# Altium PCB MAIN_BOARD.PcbDoc (part 4 of 4)
Units mm, origin at the board's own origin, x right, y up, seen from the top; angles counter-clockwise.
Board outline 130 x 120 mm, 4 copper layers (TOP, GND/INT_SIG_1, GND/INT_SIG_2, BOTTOM), stack 1.586 mm thick; 406 components, 346 nets, 1737 pads, 314 vias.
Unrouted connection lines stored in the file: 727.
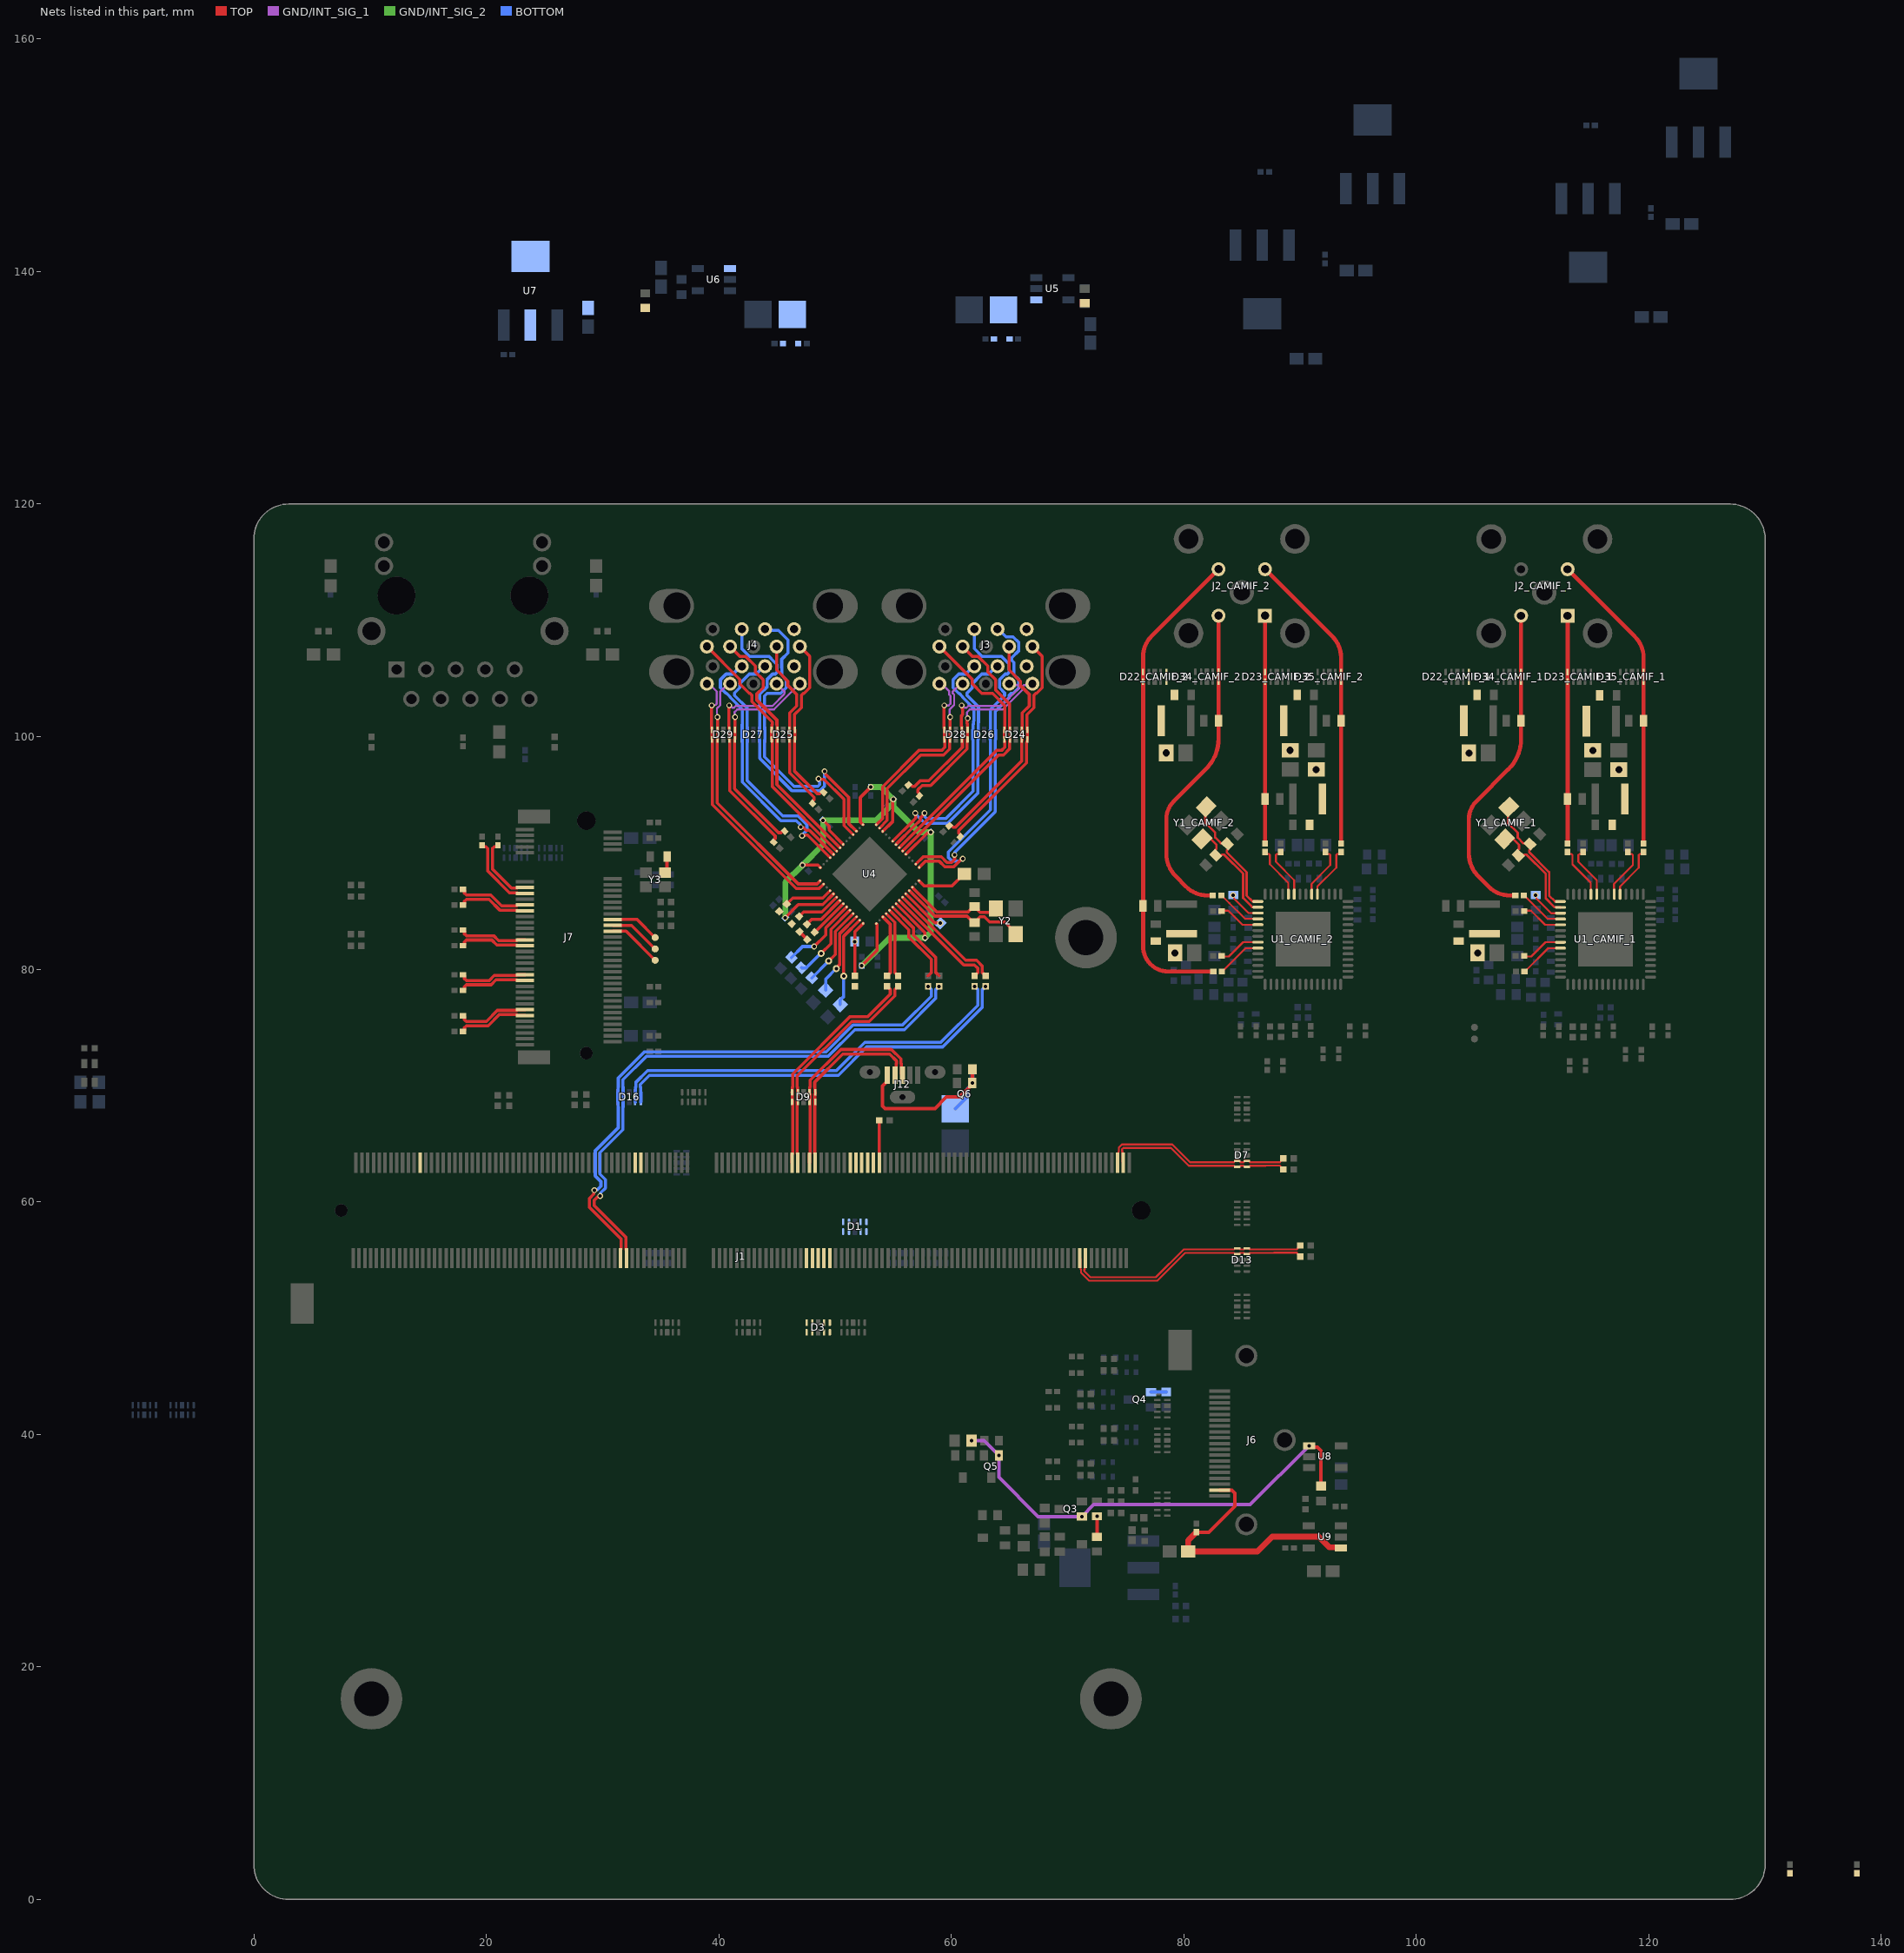
[diagram p6: the nets of this part, all layers, seen from the top]

## Via types
v1: diameter 0.5, hole 0.3, TOP to BOTTOM, 266 vias
v2: diameter 0.5, hole 0.2, TOP to BOTTOM, 32 vias
v3: diameter 5, hole 3, TOP to BOTTOM, 8 vias
v4: diameter 1, hole 0.6, TOP to BOTTOM, 8 vias

## Nets (pads, with @x,y where several pads share a name; then routed paths per layer and width w, separated by ;. In a path a pad name is that pad's centre, name@x,y a point inside that pad or via, vN(x,y) a via of type N, cw(c..) or ccw(c..) an arc to the next point about the centre after c; other vN are vias at no path point) (continued)
PoC_A_CAMIF_2: C7_CAMIF_2.2 D22_CAMIF_2.1 D22_CAMIF_2.10 J2_CAMIF_2.3 L3_CAMIF_2.2 | length 42.4
  TOP w0.355: 78.544,79.8 C7_CAMIF_2.2@82.537,79.8 ; 78.665,79.8 cw(c78.665,81.97) 78.66,79.8 cw(c78.665,81.97) 76.494,81.97 L3_CAMIF_2.2@76.495,85.45 D22_CAMIF_2.1@76.495,104.733 D22_CAMIF_2.10@76.495,105.568 76.495,106.859 cw(c79.035,106.859) 77.239,108.655 J2_CAMIF_2.3@82.983,114.4
PoC_B_CAMIF_1: C8_CAMIF_1.2 D22_CAMIF_1.5 D22_CAMIF_1.6 D34_CAMIF_1.5 D34_CAMIF_1.6 J2_CAMIF_1.4 L5_CAMIF_1.2 | length 28
  TOP w0.355: 105.151,94.425 ccw(c106.678,92.898) 104.519,92.898 104.519,89.95 ccw(c107.315,89.95) 105.338,87.973 106.225,87.086 ccw(c108.021,88.882) 108.021,86.342 C8_CAMIF_1.2@108.511,86.342 ; 105.152,94.425 107.928,97.201 ccw(c105.321,99.808) 109.008,99.808 L5_CAMIF_1.2@109.008,101.367 D34_CAMIF_1.5@109.008,104.732 D34_CAMIF_1.6@109.008,105.567 J2_CAMIF_1.4@109.008,110.392
PoC_B_CAMIF_2: C8_CAMIF_2.2 D22_CAMIF_2.5 D22_CAMIF_2.6 D34_CAMIF_2.5 D34_CAMIF_2.6 J2_CAMIF_2.4 L5_CAMIF_2.2 | length 28
  TOP w0.355: 79.127,94.432 ccw(c80.654,92.906) 78.495,92.906 78.495,89.958 ccw(c81.291,89.958) 79.314,87.981 80.201,87.094 ccw(c81.997,88.89) 81.997,86.35 C8_CAMIF_2.2@82.487,86.35 ; 79.128,94.433 81.904,97.209 ccw(c79.297,99.816) 82.983,99.816 L5_CAMIF_2.2@82.983,101.375 D34_CAMIF_2.5@82.983,104.74 D34_CAMIF_2.6@82.983,105.575 J2_CAMIF_2.4@82.983,110.4
PoC_C_CAMIF_1: C15_CAMIF_1.2 D23_CAMIF_1.1 D23_CAMIF_1.10 J2_CAMIF_1.1 L7_CAMIF_1.2 | length 19.6
  TOP w0.355: C15_CAMIF_1.2@113.008,90.806 L7_CAMIF_1.2@113.008,94.642 D23_CAMIF_1.1@113.008,104.725 D23_CAMIF_1.10@113.008,105.56 J2_CAMIF_1.1@113.008,110.392
PoC_C_CAMIF_2: C15_CAMIF_2.2 D23_CAMIF_2.1 D23_CAMIF_2.10 J2_CAMIF_2.1 L7_CAMIF_2.2 | length 19.6
  TOP w0.355: C15_CAMIF_2.2@86.983,90.813 L7_CAMIF_2.2@86.983,94.65 D23_CAMIF_2.1@86.983,104.733 D23_CAMIF_2.10@86.983,105.568 J2_CAMIF_2.1@86.983,110.4
PoC_D_CAMIF_1: C16_CAMIF_1.2 D35_CAMIF_1.5 D35_CAMIF_1.6 J2_CAMIF_1.2 L9_CAMIF_1.2 | length 26.2
  TOP w0.355: J2_CAMIF_1.2@113.008,114.392 118.8,108.6 cw(c117.004,106.804) 119.544,106.804 D35_CAMIF_1.6@119.544,105.56 D35_CAMIF_1.5@119.544,104.725 L9_CAMIF_1.2@119.544,101.367 C16_CAMIF_1.2@119.544,90.806
PoC_D_CAMIF_2: C16_CAMIF_2.2 D35_CAMIF_2.5 D35_CAMIF_2.6 J2_CAMIF_2.2 L9_CAMIF_2.2 | length 26.2
  TOP w0.355: J2_CAMIF_2.2@86.983,114.4 92.776,108.608 cw(c90.98,106.812) 93.52,106.812 D35_CAMIF_2.6@93.52,105.568 D35_CAMIF_2.5@93.52,104.733 L9_CAMIF_2.2@93.52,101.375 C16_CAMIF_2.2@93.52,90.813
PoC_PWR_CAMIF_1: C121_CAMIF_1.1 C122_CAMIF_1.1 C123_CAMIF_1.1 C124_CAMIF_1.1 L2_CAMIF_1.1 L4_CAMIF_1.1 L6_CAMIF_1.1 L8_CAMIF_1.1 R24_CAMIF_1.1 R26_CAMIF_1.1 R27_CAMIF_1.1 R29_CAMIF_1.1
  other v4: 105.268,81.392 117.417,97.165 104.518,98.592 115.167,98.817
PoC_PWR_CAMIF_2: C121_CAMIF_2.1 C122_CAMIF_2.1 C123_CAMIF_2.1 C124_CAMIF_2.1 L2_CAMIF_2.1 L4_CAMIF_2.1 L6_CAMIF_2.1 L8_CAMIF_2.1 R24_CAMIF_2.1 R26_CAMIF_2.1 R27_CAMIF_2.1 R29_CAMIF_2.1
  other v4: 79.244,81.4 91.393,97.173 78.494,98.6 89.143,98.824
POWER_EN: J1.237
PRE_CLK_N: C116.1 J7.53 | length 6.5
  TOP w0.266: C116.1@19.65,90.667 19.65,90.633 19.753,90.53 19.972,90.53 20.128,90.374 20.128,88.448 22.004,86.573 22.647,86.573 22.7,86.52 J7.53@23.325,86.52
PRE_CLK_P: C117.1 J7.55 | length 5.9
  TOP w0.266: C117.1@21,90.667 21,90.633 20.897,90.53 20.678,90.53 20.522,90.374 20.522,88.611 22.167,86.966 22.647,86.966 22.7,87.02 J7.55@23.325,87.02
PRE_CSI0_D1_N: D13.1 D13.10 J1.16 R3.1 | length 21.3
  TOP w0.168: J1.16@71.55,55.15 71.484,55.084 71.484,54.203 71.447,54.166 71.447,54.023 71.971,53.5 77.593,53.5 79.99,55.898 84.297,55.898 84.4,56 D13.1@84.583,56 84.765,56 84.868,55.898 85.132,55.898 85.235,56 D13.10@85.417,56 85.6,56 85.703,55.898 87.634,55.898 87.643,55.906 89.711,55.906 89.809,56.005 89.809,56.044 R3.1@90,56.235
PRE_CSI0_D1_P: D13.2 D13.9 J1.18 R4.1 | length 21.8
  TOP w0.168: J1.18@71.05,55.15 71.116,55.084 71.116,54.203 71.152,54.166 71.152,53.901 71.848,53.205 77.715,53.205 80.112,55.602 84.297,55.602 84.4,55.5 D13.2@84.583,55.5 84.765,55.5 84.868,55.602 85.132,55.602 85.235,55.5 D13.9@85.417,55.5 85.6,55.5 85.703,55.602 87.756,55.602 87.765,55.611 89.711,55.611 89.809,55.513 89.809,55.474 R4.1@90,55.283
PRE_CSI1_D0_N: D7.1 D7.10 J1.3 R1.1 | length 16.1
  TOP w0.168: J1.3@74.8,63.35 74.734,63.416 74.734,64.297 74.697,64.334 74.697,64.535 74.796,64.633 78.888,64.633 80.419,63.102 84.297,63.102 84.4,63 D7.10@84.583,63 84.765,63 84.868,63.102 85.132,63.102 85.235,63 D7.1@85.417,63 85.6,63 85.703,63.102 87.035,63.102 87.037,63.104 88.261,63.104 88.359,63.006 88.359,62.966 R1.1@88.55,62.775
PRE_CSI1_D0_P: D7.2 D7.9 J1.5 R2.1 | length 16.6
  TOP w0.168: J1.5@74.3,63.35 74.366,63.416 74.366,64.297 74.402,64.334 74.402,64.657 74.674,64.928 79.01,64.928 80.541,63.397 84.297,63.397 84.4,63.5 D7.9@84.583,63.5 84.765,63.5 84.868,63.397 85.132,63.397 85.235,63.5 D7.2@85.417,63.5 85.6,63.5 85.703,63.397 86.913,63.397 86.914,63.399 88.261,63.399 88.359,63.498 88.359,63.537 R2.1@88.55,63.728
PRE_TX0_N: C107.1 J7.47 | length 6.1
  TOP w0.266: C107.1@18,85.524 18.022,85.524 18.125,85.627 18.125,85.859 18.281,86.015 20.229,86.015 21.159,85.086 22.634,85.086 22.7,85.02 J7.47@23.325,85.02
PRE_TX0_P: C114.1 J7.49 | length 6.1
  TOP w0.266: C114.1@18,86.874 18.022,86.874 18.125,86.771 18.125,86.539 18.281,86.383 20.382,86.383 21.311,85.454 22.634,85.454 22.7,85.52 J7.49@23.325,85.52
PRE_TX1_N: C102.1 J7.35 | length 5.9
  TOP w0.266: C102.1@18,82.02 18.022,82.02 18.125,82.123 18.125,82.354 18.281,82.511 20.482,82.511 20.907,82.086 22.634,82.086 22.7,82.02 J7.35@23.325,82.02
PRE_TX1_P: C103.1 J7.37 | length 5.9
  TOP w0.266: C103.1@18,83.37 18.022,83.37 18.125,83.267 18.125,83.035 18.281,82.879 20.634,82.879 21.059,82.454 22.634,82.454 22.7,82.52 J7.37@23.325,82.52
PRE_TX2_N: C100.1 J7.23 | length 5.9
  TOP w0.266: C100.1@18,78.17 18.022,78.17 18.125,78.273 18.125,78.504 18.281,78.661 20.418,78.661 20.843,79.086 22.634,79.086 22.7,79.02 J7.23@23.325,79.02
PRE_TX2_P: C101.1 J7.25 | length 5.9
  TOP w0.266: C101.1@18,79.52 18.022,79.52 18.125,79.417 18.125,79.185 18.281,79.029 20.266,79.029 20.691,79.454 22.634,79.454 22.7,79.52 J7.25@23.325,79.52
PRE_TX3_N: C98.1 J7.11 | length 6.1
  TOP w0.266: C98.1@18.002,74.646 18.023,74.646 18.126,74.749 18.126,74.982 18.282,75.138 20.158,75.138 21.105,76.086 22.634,76.086 22.7,76.02 J7.11@23.325,76.02
PRE_TX3_P: C99.1 J7.13 | length 6.1
  TOP w0.266: C99.1@18,75.998 18.021,75.998 18.124,75.895 18.124,75.662 18.281,75.506 20.005,75.506 20.953,76.454 22.634,76.454 22.7,76.52 J7.13@23.325,76.52
PRT01_CTL: R41.1 R42.2 R44.2 | length 1
  TOP w0.3: R44.2@46.943,83.227 46.943,83.221 47.611,82.552 R42.2@47.611,82.546
PRT23_CTL: R45.2 R46.2 R50.1
REC_USB_VBUS: C118.1 C119.2 J12.1 Q6.1 R22.2 | length 15.6
  TOP w0.3: J12.1@54.5,70.9 54.425,70.825 54.425,70.3 54.075,69.95 54.075,68.225 54.3,68 58.585,68 59.587,69.002 60.702,69.002 61.8,70.1 v1(61.8,70.2) R22.2@61.8,71.4
  BOTTOM w0.3: C118.1@60.35,68 61.375,69.025 61.375,69.692 61.8,70.117 C119.2@61.8,70.15 v1(61.8,70.2)
SIOA_CAMIF_1_N: C12_CAMIF_1.1 U1_CAMIF_1.22 | length 3.7
  TOP w0.168: C12_CAMIF_1.1@109.269,81.142 109.323,81.088 109.886,81.088 111.115,82.317 U1_CAMIF_1.22@112.394,82.317
SIOA_CAMIF_1_P: C7_CAMIF_1.1 U1_CAMIF_1.23 | length 3.9
  TOP w0.168: C7_CAMIF_1.1@109.294,79.792 109.327,79.792 109.48,79.945 109.48,79.95 111.329,81.799 112.376,81.799 U1_CAMIF_1.23@112.394,81.817
SIOA_CAMIF_2_N: C12_CAMIF_2.1 U1_CAMIF_2.22 | length 3.7
  TOP w0.168: C12_CAMIF_2.1@83.245,81.15 83.299,81.096 83.862,81.096 85.09,82.325 U1_CAMIF_2.22@86.37,82.325
SIOA_CAMIF_2_P: C7_CAMIF_2.1 U1_CAMIF_2.23 | length 3.9
  TOP w0.168: C7_CAMIF_2.1@83.27,79.8 83.303,79.8 83.455,79.952 83.455,79.957 85.305,81.807 86.352,81.807 U1_CAMIF_2.23@86.37,81.825
SIOB_CAMIF_1_N: C13_CAMIF_1.1 U1_CAMIF_1.19 | length 3.6
  TOP w0.168: C13_CAMIF_1.1@109.269,84.992 109.308,85.032 109.856,85.032 111.072,83.815 112.392,83.815 U1_CAMIF_1.19@112.394,83.817
SIOB_CAMIF_1_P: C8_CAMIF_1.1 U1_CAMIF_1.18 | length 4
  TOP w0.168: C8_CAMIF_1.1@109.244,86.342 109.277,86.342 109.952,85.668 111.287,84.333 112.378,84.333 U1_CAMIF_1.18@112.394,84.317
SIOB_CAMIF_2_N: C13_CAMIF_2.1 U1_CAMIF_2.19 | length 3.6
  TOP w0.168: C13_CAMIF_2.1@83.245,85 83.284,85.039 83.832,85.039 85.048,83.823 86.368,83.823 U1_CAMIF_2.19@86.37,83.825
SIOB_CAMIF_2_P: C8_CAMIF_2.1 U1_CAMIF_2.18 | length 4
  TOP w0.168: C8_CAMIF_2.1@83.22,86.35 83.253,86.35 83.927,85.676 85.262,84.341 86.354,84.341 U1_CAMIF_2.18@86.37,84.325
SIOC_CAMIF_1_N: C17_CAMIF_1.1 U1_CAMIF_1.9 | length 4.6
  TOP w0.168: C17_CAMIF_1.1@114.351,90.073 114.351,90.062 114.198,89.91 114.037,89.91 113.938,89.811 113.938,89.231 115.519,87.65 U1_CAMIF_1.9@115.519,86.442
SIOC_CAMIF_1_P: C15_CAMIF_1.1 U1_CAMIF_1.10 | length 4.6
  TOP w0.168: C15_CAMIF_1.1@113.008,90.073 113.008,90.062 113.16,89.91 113.322,89.91 113.42,89.811 113.42,89.016 115.001,87.435 115.001,86.46 U1_CAMIF_1.10@115.019,86.442
SIOC_CAMIF_2_N: C17_CAMIF_2.1 U1_CAMIF_2.9 | length 4.6
  TOP w0.168: C17_CAMIF_2.1@88.326,90.08 88.326,90.07 88.174,89.917 88.012,89.917 87.914,89.819 87.914,89.238 89.495,87.657 U1_CAMIF_2.9@89.495,86.45
SIOC_CAMIF_2_P: C15_CAMIF_2.1 U1_CAMIF_2.10 | length 4.6
  TOP w0.168: C15_CAMIF_2.1@86.983,90.08 86.983,90.07 87.136,89.917 87.298,89.917 87.396,89.819 87.396,89.024 88.977,87.443 88.977,86.468 U1_CAMIF_2.10@88.995,86.45
SIOD_CAMIF_1_N: C18_CAMIF_1.1 U1_CAMIF_1.6 | length 4.6
  TOP w0.168: U1_CAMIF_1.6@117.019,86.442 117.001,86.46 117.001,87.33 118.613,88.943 118.613,89.811 118.515,89.91 118.353,89.91 118.201,90.062 C18_CAMIF_1.1@118.201,90.073
SIOD_CAMIF_1_P: C16_CAMIF_1.1 U1_CAMIF_1.5 | length 4.6
  TOP w0.168: U1_CAMIF_1.5@117.519,86.442 117.519,87.116 119.131,88.728 119.131,89.811 119.23,89.91 119.392,89.91 119.544,90.062 C16_CAMIF_1.1@119.544,90.073
SIOD_CAMIF_2_N: C18_CAMIF_2.1 U1_CAMIF_2.6 | length 4.6
  TOP w0.168: U1_CAMIF_2.6@90.995,86.45 90.977,86.468 90.977,87.338 92.589,88.951 92.589,89.819 92.491,89.917 92.329,89.917 92.177,90.07 C18_CAMIF_2.1@92.177,90.08
SIOD_CAMIF_2_P: C16_CAMIF_2.1 U1_CAMIF_2.5 | length 4.6
  TOP w0.168: U1_CAMIF_2.5@91.495,86.45 91.495,87.124 93.107,88.736 93.107,89.819 93.206,89.917 93.367,89.917 93.52,90.07 C16_CAMIF_2.1@93.52,90.08
SMB_CLK: J7.40 TP5.1 | length 4.7
  TOP w0.266: J7.40@30.875,83.27 32.025,83.27 TP5.1@34.525,80.77
SMB_DATA: J7.42 TP6.1 | length 4.5
  TOP w0.266: J7.42@30.875,83.77 32.5,83.77 TP6.1@34.525,81.745
SMB_nALERT: J7.44 TP7.1 | length 4.3
  TOP w0.266: J7.44@30.875,84.27 32.975,84.27 TP7.1@34.525,82.72
SPI0_MISO: D1.4 D1.7 J1.93
SPI0_MOSI: D1.1 D1.10 J1.89
SPI0_nCS_0: D1.5 D1.6 J1.95
SPI0_nCS_1: J1.97
SPI0_SCLK: D1.2 D1.9 J1.91
SPI1_MISO: D3.4 D3.7 J1.108
SPI1_MOSI: D3.1 D3.10 J1.104
SPI1_nCS_0: D3.5 D3.6 J1.110
SPI1_nCS_1: J1.112
SPI1_SCLK: D3.2 D3.9 J1.106
SUSCLK_32: R102.2 Y3.3 | length 1.5
  TOP w0.3: Y3.3@35.362,88.313 35.55,88.5 R102.2@35.55,89.7
USB0_D_N: D9.1 D9.10 J1.109 J12.2 | length 16.5
  TOP w0.266: J1.109@48.3,63.35 48.3,64.075 48.247,64.128 48.247,69.248 48.3,69.301 D9.1@48.3,69.417 48.267,69.451 48.267,69.846 48.247,69.866 48.247,70.284 50.663,72.7 54.694,72.7 55.278,72.116 55.278,71.895 55.242,71.859 55.242,70.992 J12.2@55.15,70.9
USB0_D_P: D9.2 D9.9 J1.111 J12.3 | length 17.8
  TOP w0.266: J1.111@47.8,63.35 47.8,64.075 47.853,64.128 47.853,69.248 47.8,69.301 D9.2@47.8,69.417 47.833,69.451 47.833,69.846 47.853,69.866 47.853,70.447 50.5,73.093 54.857,73.093 55.672,72.279 55.672,71.895 55.708,71.859 55.708,70.992 J12.3@55.8,70.9
USB0_RX_N: D24.1 D24.10 J3.A5 U4.7 | length 23.9
  TOP w0.266: U4.7@55.529,90.448 55.533,90.448 63.896,98.811 64.324,98.811 64.603,99.09 64.603,99.311 64.583,99.331 D24.1@64.583,99.61 ; J3.A5@58.975,107.747 61.81,104.912 61.81,104.531 62.629,103.712 63.541,103.712 64.603,102.65 64.603,101.043 64.583,101.023 64.583,100.628 D24.10@64.55,100.594 D24.1@64.55,99.909
USB0_RX_P: D24.2 D24.9 J3.A6 U4.6 | length 23.5
  TOP w0.266: U4.6@55.812,90.165 55.812,90.17 64.059,98.417 64.487,98.417 64.997,98.927 64.997,99.311 65.017,99.331 D24.2@65.017,99.61 ; J3.A6@60.975,107.747 61.84,106.882 62.321,106.882 63.14,106.062 63.14,105.562 63.81,104.893 63.81,104 64.997,102.813 64.997,101.043 65.017,101.023 65.017,100.628 D24.9@65.05,100.594 D24.2@65.05,99.759
USB0_TX_N: C60.2 D24.4 D24.7 J3.A8 | length 19.6
  TOP w0.266: C60.2@59.818,92.333 59.842,92.357 59.988,92.357 60.14,92.204 60.361,92.204 66.067,97.91 66.067,99.65 66.103,99.687 66.103,99.759 66.05,99.813 D24.7@66.05,100.594 66.083,100.628 66.083,101.023 66.103,101.043 66.103,102.04 66.71,102.647 66.71,103.631 65.932,104.409 65.932,104.771 64.975,105.727 J3.A8@64.975,107.747
USB0_TX_P: C65.2 D24.5 D24.6 J3.A9 | length 19.7
  TOP w0.266: C65.2@60.768,91.383 60.792,91.407 60.792,91.553 60.639,91.705 60.639,91.926 66.46,97.747 66.46,99.487 66.517,99.544 D24.5@66.517,99.61 ; D24.5@66.55,99.759 D24.6@66.55,100.594 66.517,100.628 66.517,101.023 66.497,101.043 66.497,101.877 67.103,102.484 67.103,103.556 67.259,103.712 67.321,103.712 67.81,104.201 67.81,106.912 J3.A9@66.975,107.747
USB1_D_N: D9.4 D9.7 J1.115 R30.1 | length 19.7
  TOP w0.266: J1.115@46.8,63.35 46.8,64.075 46.747,64.128 46.747,66.182 46.747,68.715 46.767,68.735 46.767,69.384 D9.4@46.8,69.417 46.767,69.451 46.767,69.846 46.747,69.866 46.747,70.822 51.432,75.507 52.948,75.507 55.147,77.706 55.147,78.249 R30.1@55.425,78.527
USB1_D_P: D9.5 D9.6 J1.117 R31.1 | length 19.7
  TOP w0.266: J1.117@46.3,63.35 46.3,64.075 46.353,64.128 46.353,66.345 46.353,68.715 46.333,68.735 46.333,69.384 D9.5@46.3,69.417 46.333,69.451 46.333,69.846 46.353,69.866 46.353,70.985 51.269,75.9 52.785,75.9 54.753,77.869 54.753,78.249 R31.1@54.475,78.527
USB1_RX_N: D28.1 D28.10 J3.B5 U4.14 | length 16.7
  TOP w0.266: U4.14@53.541,92.42 53.545,92.42 54.09,92.964 54.09,95.692 57.209,98.811 59.174,98.811 59.453,99.09 59.453,99.311 59.433,99.331 59.433,99.726 D28.1@59.4,99.759 59.4,100.71 59.36,100.751 59.36,102.644 v1(59.393,102.677)
  GND/INT_SIG_1 w0.179: J3.B5@58.975,104.547 59.154,104.547 59.822,103.879 59.822,103.604 59.939,103.487 59.939,102.846 59.769,102.676 v1(59.393,102.677)
USB1_RX_P: D28.2 D28.9 J3.B6 U4.13 | length 16.8
  TOP w0.266: U4.13@53.824,92.137 53.824,92.141 54.484,92.801 54.484,95.529 57.372,98.417 59.337,98.417 59.847,98.927 59.847,99.311 59.867,99.331 59.867,99.726 D28.2@59.9,99.759 D28.9@59.9,100.594 59.897,100.598 59.897,101.673 v1(59.893,101.677)
  GND/INT_SIG_1 w0.179: v1(59.893,101.677) 59.843,101.727 59.843,102.318 60.245,102.72 60.245,103.614 60.128,103.731 60.128,103.879 60.796,104.547 J3.B6@60.975,104.547
USB1_TX_N: C61.2 D28.4 D28.7 J3.B8 | length 16.6
  TOP w0.266: C61.2@56.307,95.845 56.33,95.869 56.476,95.869 56.629,95.716 56.849,95.716 57.33,96.196 58.06,96.196 60.953,99.09 60.953,99.759 60.9,99.813 60.9,100.88 60.85,100.93 60.85,101.727 60.879,101.757 60.879,101.804 60.983,101.908 60.983,102.346 60.938,102.391 60.938,102.632 v1@60.9,102.67
  GND/INT_SIG_1 w0.179: v1(60.893,102.677) 60.967,102.677 61.158,102.486 61.306,102.486 61.457,102.637 64.292,102.637 65.822,104.167 65.822,104.315 65.718,104.419 65.103,104.419 J3.B8@64.975,104.547
USB1_TX_P: C68.2 D28.5 D28.6 J3.B9 | length 16.2
  TOP w0.266: C68.2@57.257,94.895 57.28,94.919 57.28,95.065 57.128,95.217 57.128,95.438 57.492,95.803 58.222,95.803 61.347,98.927 61.347,99.759 61.4,99.813 D28.6@61.4,100.594 ; D28.6@61.397,100.751 61.397,101.085 61.346,101.136 61.346,101.356 61.368,101.378 61.368,101.543 v1(61.413,101.588)
  GND/INT_SIG_1 w0.179: v1(61.413,101.588) 61.351,101.649 61.351,101.878 61.343,101.887 61.343,102.09 61.584,102.331 64.419,102.331 66.128,104.04 66.128,104.315 66.232,104.419 66.847,104.419 J3.B9@66.975,104.547
USB2_RX_N: D25.1 D25.10 J4.A5 U4.23 | length 22.3
  TOP w0.266: J4.A5@38.975,107.747 41.81,104.912 41.81,104.531 42.629,103.712 42.695,103.712 42.851,103.556 42.851,103.016 44.603,101.264 44.603,101.043 44.583,101.023 44.583,100.628 D25.10@44.55,100.594 44.55,99.813 44.603,99.759 44.603,95.705 50.147,90.161 U4.23@50.147,90.157
USB2_RX_P: D25.2 D25.9 J4.A6 U4.22 | length 22
  TOP w0.266: J4.A6@40.975,107.747 41.84,106.882 42.321,106.882 43.14,106.062 43.14,105.562 43.81,104.893 43.81,104.201 43.244,103.635 43.244,103.179 44.997,101.427 44.997,101.043 45.017,101.023 45.017,100.628 D25.9@45.05,100.594 45.05,99.813 44.997,99.759 44.997,95.868 50.425,90.44 U4.22@50.429,90.44